# Allegro board RK_TABLET_DEMO1_RK3576_LP4XD200P132SD6_V12_20240530YWQ.brd (continued)
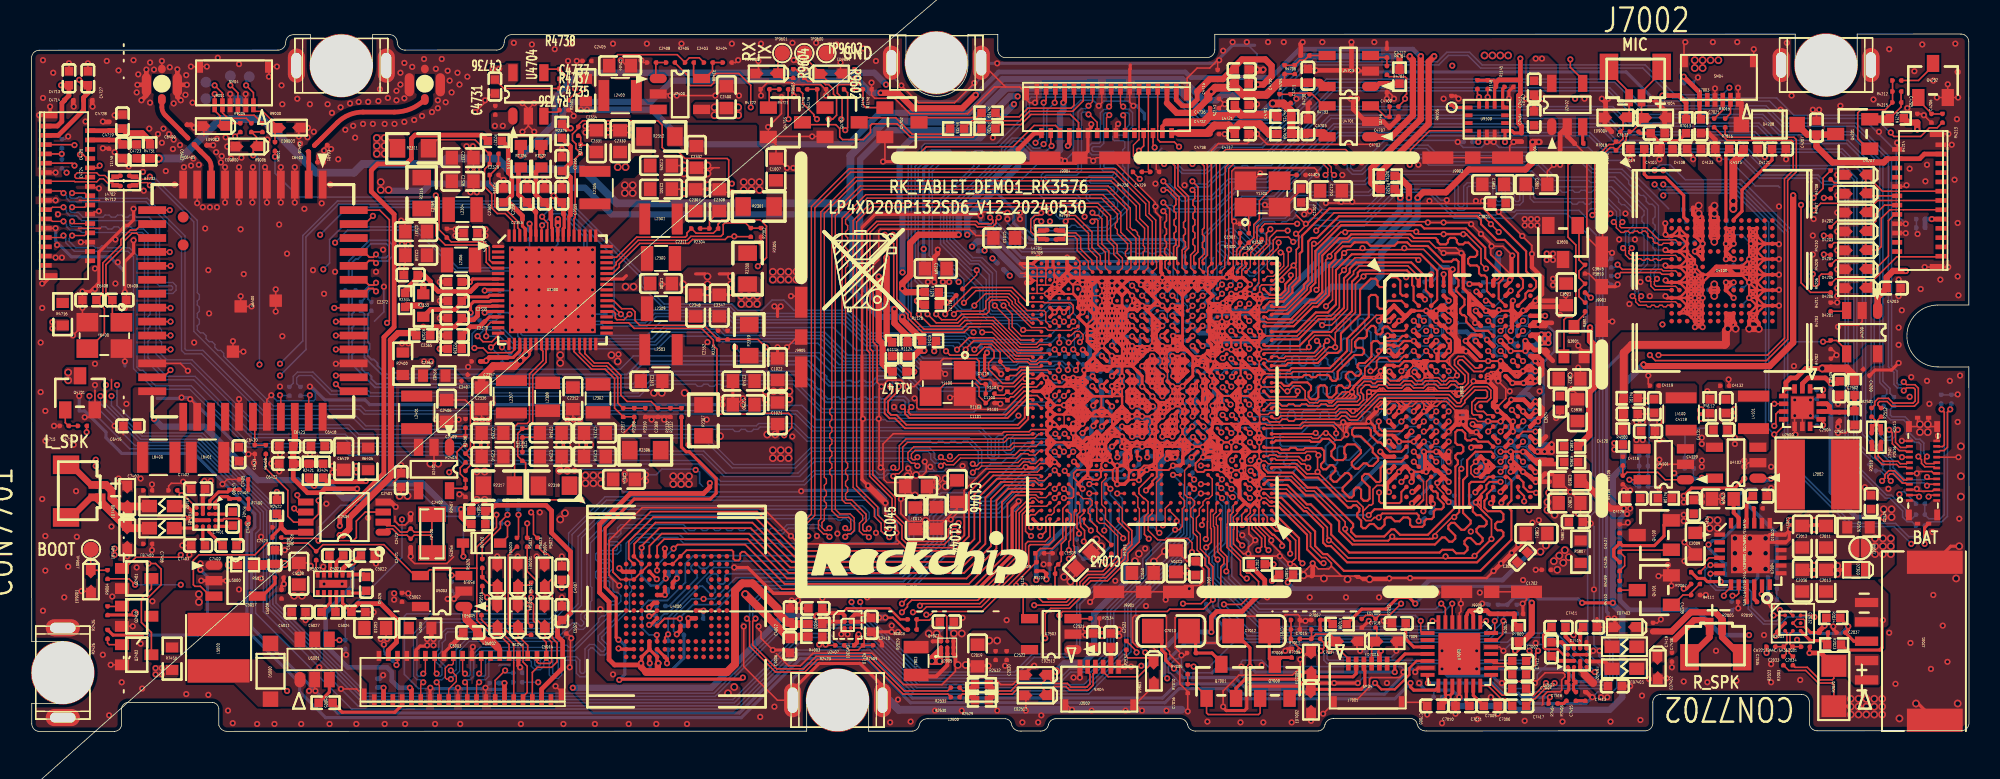
[diagram p0: board, top side]
## Routing (per net, layer and track width the routed paths; a pad name or vN(x,y) marks a point on that pad's centre or on a via; arc(x,y) is an arc through that point) (continued)
LPDDR4_CSN0_B: length 19.9
  TOP w0.114: v1(89.84,19.37) 89.99,19.37 U3800.R4 ; U1000.1J5 v1(77.42,19.27)
  BOTTOM w0.089: 88.83,18.92 88.95,19.05 89.51,19.05 v1(89.84,19.37)
  BOTTOM w0.114: v1(77.42,19.27) 77.78,19.63 79.57,19.63 79.68,19.51 79.68,17.78 79.97,17.5 79.97,17.33 79.75,17.11 79.75,16.95 79.91,16.79 80.07,16.79 80.29,17.01 80.45,17.01 80.61,16.85 80.61,16.69 80.39,16.47 80.39,16.31 80.56,16.14 80.72,16.14 80.94,16.36 81.1,16.36 81.71,15.75 84.64,15.75 86.54,17.65 88.45,17.65 88.83,18.03 88.83,18.92
LPDDR4_CSN1_A: length 19.6
  TOP w0.114: U3800.H3 v1(89.19,24.57) ; U1000.1T4 v1(77.42,24.07)
  BOTTOM w0.114: v1(89.19,24.57) 89.07,24.57 88.71,24.21 86.71,24.21 86.41,24.51 86.41,25.77 86.3,25.88 86.14,25.88 86.03,26 86.03,26.56 85.91,26.67 85.69,26.67 85.57,26.56 85.57,26 85.46,25.88 85.23,25.88 85.11,26 85.11,26.56 85,26.67 84.77,26.67 84.66,26.56 84.66,26 84.54,25.88 84.31,25.88 84.2,26 84.2,26.56 84.09,26.67 83.86,26.67 83.74,26.56 83.74,26 83.63,25.88 81.31,25.88 80.44,25.02 80.44,24.61 79.55,23.71 77.53,23.71 77.42,23.83 v1(77.42,24.07)
LPDDR4_CSN1_B: length 19.5
  TOP w0.114: U1000.1K4 77.46,20.43 v1(77.46,20.43) ; v1(89.84,20.02) U3800.R3
  BOTTOM w0.089: v1(89.84,20.02) U3800.R3 88.83,19.69
  BOTTOM w0.114: 88.83,19.69 88.71,19.69 88.19,19.18 87.3,19.18 84.64,16.51 84.41,16.51 84.3,16.62 84.3,16.73 84.19,16.85 83.96,16.85 83.84,16.73 83.84,16.62 83.47,16.26 81.84,16.26 81.44,16.65 81.44,16.81 81.66,17.03 81.66,17.2 81.5,17.36 81.34,17.36 81.12,17.14 80.96,17.14 80.8,17.3 80.8,17.46 81.02,17.68 81.02,17.84 80.86,18 80.69,18 80.47,17.78 80.31,17.78 80.06,18.03 80.06,19.73 79.86,19.94 77.95,19.94 77.46,20.43 v1(77.46,20.43)
LPDDR4_DMI0_A: length 15.1
  TOP w0.137: U1000.1V1 79.6,24.89 81.8,24.89 82.7,25.8 83.85,25.8 85.2,27.15 85.2,29.05 85.57,29.43 85.57,29.62 85.73,29.78 88.75,29.78 89.08,29.45 89.08,28.83 89.17,28.73 89.17,27.84 U3800.C3
LPDDR4_DMI0_B: length 15
  TOP w0.097: U3800.Y3 89.81,16.14 89.81,14.96 89.8,14.94
  TOP w0.102: U1000.B4 78.09,13.99 78.09,13.37 v1(78.12,13.34)
  TOP w0.137: 89.8,14.94 89.21,14.35 86.66,14.35 v1(86.28,13.97)
  BOTTOM w0.137: v1(78.12,13.34) 78.76,13.97 v1(86.28,13.97)
LPDDR4_DMI1_A: length 22.6
  TOP w0.137: U1000.AE1 80.07,26.98 81.06,26.98 82.54,28.45 82.54,28.67 82.84,28.98 82.84,31.03 84.51,32.7 89.65,32.7 89.87,32.49 92.56,32.49 93.8,31.25 93.8,30.57 94.95,29.43 94.95,29.23 94.67,28.96 94.67,27.94 U3800.C10
LPDDR4_DMI1_B: length 23.9
  TOP w0.102: 80.18,15.1 79.9,15.1 79.63,15.37 U1000.1B1
  TOP w0.137: U3800.Y10 95.24,16.45 95.49,16.2 95.49,14.92 95.25,14.68 95.25,14.49 95.49,14.25 95.49,12.38 93.48,10.37 84.68,10.37 83.6,11.45 83.34,11.45 82.82,11.97 82.82,12.92 80.64,15.1 80.18,15.1
LPDDR4_DQ0_A: length 14.4
  TOP w0.137: U3800.B2 88.46,28.15 88.32,28.28 88.32,29.11 88.09,29.34 87.53,29.34 87.4,29.2 87.4,28.84 87.26,28.7 86.98,28.7 86.85,28.84 86.85,29.11 86.71,29.24 86.42,29.24 85.72,28.54 85.72,26.94 84.49,25.7 84.49,24.66 84.27,24.45 83.65,24.45 83,23.8 81.08,23.8 80.91,23.62 U1000.W1
LPDDR4_DQ0_B: length 14.2
  TOP w0.127: U3800.AA2 88.39,15.47 88.39,14.87 88.26,14.75 87.08,14.75 86.95,14.87 v1(86.95,15.43)
  TOP w0.137: v1(78.66,16.83) 78.66,16.83 U1000.1D2
  L4-SIG w0.117: v1(86.95,15.43) 86.92,15.46 86.92,15.47 86.77,15.62 81.52,15.62 81.35,15.79 80.53,15.79 80.4,15.92 80.4,16.09 80.51,16.2 81.07,16.2 81.21,16.34 81.21,16.51 81.1,16.61 78.87,16.61 78.66,16.83 v1(78.66,16.83)
LPDDR4_DQ1_A: length 13.9
  TOP w0.137: U3800.C2 88.39,27.82 87.54,27.82 87.4,27.68 87.4,27.44 87.26,27.3 86.99,27.3 86.85,27.44 86.85,28.06 86.71,28.19 86.43,28.19 86.29,28.05 86.29,26.77 84.88,25.36 84.88,24.57 83.77,23.46 81.3,23.46 81.17,23.33 79.88,23.33 79.52,23.69 U1000.1T1
LPDDR4_DQ1_B: length 15.7
  TOP w0.137: U1000.1F2 v1(78.66,17.52) ; U3800.Y2 v1(88.39,16.12)
  L4-SIG w0.117: v1(88.39,16.12) 81.87,16.12 81.76,16.24 81.76,18.17 81.64,18.28 81.32,18.28 81.21,18.17 81.21,17.26 81.05,17.11 80.8,17.11 80.69,17.23 80.69,18.02 80.57,18.14 80.34,18.14 80.22,18.02 80.22,17.23 80.1,17.11 79.89,17.11 79.72,17.28 79.56,17.28 79.39,17.11 79.07,17.11 v1(78.66,17.52)
LPDDR4_DQ2_A: length 14.3
  TOP w0.137: U3800.E2 88.71,26.01 88.58,25.88 87.78,25.88 87.5,26.15 87.31,26.15 87.17,26.02 87.17,25.79 87.04,25.65 86.84,25.65 86.73,25.77 86.73,26.08 86.61,26.2 86.45,26.2 86.16,25.91 86.16,25.54 86.02,25.4 85.65,25.4 85.4,25.15 85.4,24.87 85.49,24.78 85.84,24.78 85.98,24.64 85.98,24.45 85.84,24.31 85.36,24.31 84.28,23.24 84.28,22.78 84.14,22.64 83.95,22.64 83.81,22.78 83.81,22.88 83.67,23.02 82.99,23.02 82.86,22.89 82.58,22.89 82.44,23.02 82.13,23.02 81.99,22.89 79.71,22.89 79.52,22.69 U1000.1P1
LPDDR4_DQ2_B: length 19.3
  TOP w0.137: U3800.V2 88.39,17.43 87.46,17.43 87.05,17.02 87.05,16.19 86.97,16.11 86.78,16.11 86.25,16.63 86.03,16.63 85.85,16.45 85.85,16.26 86.33,15.77 86.33,15.04 86.2,14.9 85.96,14.9 85.79,15.07 85.79,15.61 85.65,15.75 85.46,15.75 85.32,15.61 85.32,15.25 85.18,15.11 85.03,15.11 84.6,15.55 84.6,15.74 85.16,16.3 85.16,16.5 84.96,16.69 84.77,16.69 84.21,16.13 84.01,16.13 83.82,16.32 83.82,16.52 84.13,16.82 84.13,17.02 83.94,17.2 83.8,17.2 83.53,16.93 83.34,16.93 83.2,17.07 83.2,17.26 83.4,17.46 83.4,18.12 83.23,18.3 82.18,18.3 82.08,18.2 81.68,18.2 81.55,18.32 81.24,18.32 81.12,18.2 80.66,18.2 80.54,18.32 79.57,18.32 U1000.1G1
LPDDR4_DQ3_A: length 15.6
  TOP w0.137: U1000.U1 80.63,22.52 80.83,22.32 81.12,22.32 81.34,22.54 82.33,22.54 82.56,22.31 82.56,22.07 82.4,21.92 82.4,21.62 82.57,21.45 82.89,21.45 83.03,21.59 83.03,22.21 83.16,22.35 83.44,22.35 83.58,22.21 83.58,21.71 83.71,21.57 83.91,21.57 84.2,21.86 84.2,22.21 84.33,22.35 84.53,22.35 84.7,22.18 84.93,22.18 85.07,22.32 85.07,22.57 84.8,22.83 84.8,23.03 85,23.22 85.19,23.22 85.44,22.97 85.64,22.97 85.77,23.11 85.77,23.3 85.56,23.52 85.56,23.68 85.68,23.79 86.04,23.79 86.46,24.21 86.46,25.08 86.6,25.22 86.85,25.22 87,25.07 87.2,25.07 87.35,25.22 88.13,25.22 88.46,25.55 U3800.F2
LPDDR4_DQ3_B: length 19.1
  TOP w0.137: U1000.K1 80.16,18.67 80.28,18.79 82.48,18.79 82.56,18.7 83.11,18.7 83.31,18.9 83.72,18.9 84.1,18.51 84.1,18.32 83.87,18.09 83.87,17.78 84.13,17.53 84.63,17.53 84.79,17.69 84.79,17.88 84.71,17.96 84.71,18.35 84.9,18.54 85.4,18.54 85.77,18.17 85.77,17.97 85.19,17.39 85.19,17.2 85.41,16.97 85.61,16.97 85.95,17.31 86.14,17.31 86.3,17.15 86.55,17.15 86.89,17.49 86.89,17.69 86.54,18.03 86.54,18.29 85.78,19.05 85.35,19.05 85.21,19.19 85.21,19.47 85.35,19.61 86.28,19.61 86.41,19.47 86.41,19.12 86.87,18.67 87.05,18.67 87.64,18.07 88.39,18.07 U3800.U2
LPDDR4_DQ4_A: length 13.6
  TOP w0.137: U1000.1V3 78.57,24.72 v1(78.57,24.72) ; U3800.F4 v1(89.99,25.22)
  L4-SIG w0.089: v1(89.99,25.22) 89.66,24.89 88.96,24.89
  L4-SIG w0.117: 88.96,24.89 88.71,25.15 86.36,25.15 85.17,23.95 80.45,23.95 79.37,25.03 79.07,25.03 78.74,24.71 78.58,24.71 v1(78.57,24.72)
LPDDR4_DQ4_B: length 16.6
  TOP w0.114: U3800.U4 v1(90.64,18.72)
  TOP w0.137: U1000.1C3 v1(78.6,15.69)
  L4-SIG w0.117: v1(90.64,18.72) 90.2,18.29 90.2,17.93 90.03,17.75 90.03,17.32 89.48,16.77 89.48,15.31 89.25,15.09 88.8,15.09 88.44,14.73 86.89,14.73 86.49,15.12 80.31,15.12 79.4,16.03 79.03,16.03 78.69,15.69 v1(78.6,15.69)
LPDDR4_DQ5_A: length 15.8
  TOP w0.137: v1(77.42,25.87) U1000.1W4 ; U3800.E4 v1(90.64,25.87)
  L4-SIG w0.089: v1(90.64,25.87) 90.31,25.54 88.94,25.54
  L4-SIG w0.117: 88.94,25.54 88.53,25.96 86.47,25.96 84.96,24.45 80.65,24.45 79.63,25.47 79.01,25.47 78.85,25.31 77.98,25.31 v1(77.42,25.87)
LPDDR4_DQ5_B: length 15.7
  TOP w0.137: U3800.V4 v1(90.64,17.42) ; U1000.1B3 v1(78.62,15.07)
  L4-SIG w0.117: v1(90.64,17.42) 90.64,16.87 89.98,16.21 89.98,15.16 89.05,14.23 86.79,14.23 86.49,14.53 85.7,14.53 85.52,14.35 79.34,14.35 v1(78.62,15.07)
LPDDR4_DQ6_A: length 16.9
  TOP w0.137: U1000.AC1 81.63,25.82 82.87,27.06 83.65,27.06 84.17,27.58 84.17,29.8 85.19,30.82 89.64,30.82 90.7,29.76 90.7,27.88 U3800.C4
LPDDR4_DQ6_B: length 17.1
  TOP w0.097: U3800.Y4 90.01,16.14 90.01,14.66
  TOP w0.102: U1000.A5 77.79,13.7 77.79,12.45
  TOP w0.137: 90.01,14.66 90.01,14.43 v1(89.81,14.22) ; 77.79,12.45 77.79,12.35 v1(78.12,12.02)
  L4-SIG w0.117: v1(89.81,14.22) 89.63,14.22 89.14,13.73 87.33,13.73 87.02,13.43 85.69,13.43 85.4,13.72 79.82,13.72 78.12,12.02 v1(78.12,12.02)
LPDDR4_DQ7_A: length 15
  TOP w0.137: U1000.AB1 80.07,25.32 81.76,25.32 83.05,26.62 83.94,26.62 84.69,27.36 84.69,29.27 85.06,29.64 85.06,29.88 85.47,30.3 89.02,30.3 89.97,29.35 89.97,28.49 U3800.B4
LPDDR4_DQ7_B: length 17.6
  TOP w0.137: U1000.G1 80.07,17.07 81.16,17.07 81.16,17.07 81.54,17.07 82.21,16.39 83.02,16.39 84.95,14.46 85.14,14.46 85.29,14.61 85.48,14.61 85.68,14.41 85.68,14.22 85.53,14.07 85.53,13.88 85.79,13.62 85.79,13.25 85.92,13.13 86.08,13.13 86.35,13.4 86.6,13.4 86.88,13.11 87.07,13.11 87.3,13.34 87.3,13.68 87.44,13.82 87.72,13.82 87.97,13.57 88.27,13.57 88.52,13.82 88.82,13.82 88.95,13.68 88.95,13.35 89.09,13.22 89.74,13.22 89.88,13.35 89.88,13.58 90.01,13.72 90.34,13.72 90.48,13.85 90.48,14.21 90.61,14.35 90.98,14.35 91.11,14.49 91.11,14.69 90.73,15.08 90.73,15.38 90.61,15.5 90.45,15.5 90.31,15.64 U3800.AA4
LPDDR4_DQ8_A: length 24.1
  TOP w0.137: U1000.AF1 80.07,27.41 80.88,27.41 82.1,28.64 82.1,28.86 82.38,29.14 82.38,31.65 82.6,31.87 82.95,31.87 84.35,33.27 93.27,33.27 93.53,33.02 93.53,32.77 94.54,31.75 95.06,31.75 95.92,30.88 95.92,29.48 96.23,29.17 96.23,28.66 95.91,28.34 U3800.B11
LPDDR4_DQ8_B: length 22
  TOP w0.102: U1000.1A1 79.66,14.77 79.89,14.55 80.15,14.55
  TOP w0.137: U3800.AA11 95.91,15.6 96.31,15.2 v1(96.31,14.86) ; v1(83.37,10.87) 83.19,10.87 82.3,11.76 82.3,12.7 80.46,14.55 80.15,14.55
  L4-SIG w0.117: v1(96.31,14.86) 96.15,14.7 96.15,14.16 95.32,13.33 93.81,13.33 91.34,10.87 v1(83.37,10.87)
LPDDR4_DQ9_A: length 26.9
  TOP w0.137: U1000.1AB1 79.52,27.38 79.9,27.76 80.78,27.76 81.36,28.35 81.36,28.71 81.83,29.18 81.83,30.86 81.99,31.02 81.99,32.02 83.75,33.78 93.68,33.78 96.44,31.02 96.44,29.72 97.08,29.08 97.08,28.7 96.85,28.47 96.58,28.47 96.39,28.28 96.39,27.98 U3800.C11
LPDDR4_DQ9_B: length 24.1
  TOP w0.137: v1(97.08,15.41) 97.02,15.48 96.58,15.48 96.27,15.79 96.27,16.09 U3800.Y11 ; U1000.B1 80.02,14.26 81.79,12.49 81.79,11.08 v1(82.01,10.86)
  L4-SIG w0.117: v1(97.08,15.41) 97.08,14.22 95.69,12.84 94.01,12.84 91.55,10.37 82.5,10.37 82.01,10.86 v1(82.01,10.86)
LPDDR4_DQ10_A: length 23.4
  TOP w0.137: v1(81.26,29.46) 81.26,29.25 80.9,28.89 80.9,28.5 80.59,28.2 79.89,28.2 U1000.1AD1 ; v1(96.24,26.52) U3800.E11
  L4-SIG w0.117: v1(81.26,29.46) 81.83,29.46 84.12,31.76 93.2,31.76 94.48,30.47 95.3,30.47 96.63,29.15 96.63,26.91 v1(96.24,26.52)
LPDDR4_DQ10_B: length 23.3
  TOP w0.102: U1000.B2 79.47,14.11 79.74,13.83 79.74,13.49
  TOP w0.137: v1(96.24,17.42) U3800.V11 ; v1(81.21,11.48) 81.21,12.27 80.52,12.95 80.28,12.95 79.74,13.49
  L4-SIG w0.117: v1(96.24,17.42) 96.6,17.06 96.6,16.33 95.7,15.42 95.7,14.41 95.14,13.85 94.73,13.85 93.23,13.85 90.86,11.48 v1(81.21,11.48)
LPDDR4_DQ11_A: length 21.9
  TOP w0.137: U3800.F11 v1(96.24,25.87) ; U1000.AH1 v1(80.38,28.57)
  L4-SIG w0.117: v1(80.38,28.57) 81.58,28.57 83.24,30.23 84.54,30.23 85.15,30.84 88.72,30.84 89.13,31.26 92.99,31.26 94.31,29.94 95.13,29.94 96.07,29 96.07,27.51 95.86,27.3 95.86,26.25 v1(96.24,25.87)
LPDDR4_DQ11_B: length 22.9
  TOP w0.137: v1(96.24,18.72) U3800.U11 ; v1(80.7,11.98) 80.7,12.16 80.16,12.7 80.09,12.7 79.47,13.32 U1000.A2
  L4-SIG w0.117: v1(80.7,11.98) 90.65,11.98 93.02,14.35 94.93,14.35 95.2,14.62 95.2,16.02 95.83,16.65 95.83,18.31 v1(96.24,18.72)
LPDDR4_DQ12_A: length 23.7
  TOP w0.137: U1000.1Y1 81.44,26.17 82.7,27.43 82.97,27.43 83.34,27.8 83.34,27.8 83.73,28.19 83.73,30.11 84.13,30.51 84.13,30.85 84.61,31.33 85.11,31.33 85.37,31.59 86.16,31.59 86.38,31.37 87.94,31.37 88.16,31.59 88.76,31.59 89,31.36 90.08,31.36 91.08,30.35 91.62,30.35 91.75,30.48 91.94,30.48 92.07,30.34 92.07,29.66 91.93,29.52 91.93,29.3 92.07,29.15 92.07,28.77 91.93,28.63 91.93,28.45 92.46,27.92 92.46,27.55 92.18,27.27 92.18,27.03 92.32,26.89 92.44,26.89 92.58,26.75 92.58,26.47 93.17,25.88 93.98,25.88 U3800.F9
LPDDR4_DQ12_B: length 24.8
  TOP w0.137: U1000.1E1 79.52,16.98 79.79,16.71 81.37,16.71 82.34,15.75 82.93,15.75 85.27,13.4 85.27,13.21 85.15,13.08 85.15,12.89 85.45,12.59 87.29,12.59 87.75,13.06 87.94,13.06 88.3,12.7 90.1,12.7 91.87,14.48 91.87,17.11 92.03,17.27 92.03,17.5 91.87,17.65 91.87,17.82 92.01,17.96 92.25,17.96 92.38,18.1 92.38,18.37 92.25,18.51 92.01,18.51 91.87,18.65 91.87,19.33 92.01,19.47 92.29,19.47 92.51,19.25 92.51,18.92 92.64,18.8 92.89,18.8 92.98,18.89 93.18,18.89 93.35,18.72 93.99,18.72 U3800.U9
LPDDR4_DQ13_A: length 22.9
  TOP w0.137: v1(78.62,25.87) U1000.1W2 ; U3800.E9 v1(93.99,26.52)
  L4-SIG w0.117: v1(93.99,26.52) 93.74,26.77 92.37,26.77 92.13,27.01 92.13,28.12 91.79,28.46 91.06,28.46 90.94,28.35 90.94,28.18 90.82,28.07 90.59,28.07 90.47,28.18 90.47,28.35 90.36,28.46 89.11,28.46 88.99,28.35 88.99,28.06 88.88,27.94 88.64,27.94 88.53,28.06 88.53,28.35 88.41,28.46 88.18,28.46 88.06,28.35 88.06,28.06 87.94,27.94 87.71,27.94 87.59,28.06 87.59,28.35 87.48,28.46 87.24,28.46 87.13,28.35 87.13,28.06 87.01,27.94 86.77,27.94 86.66,28.06 86.66,28.35 86.54,28.46 85.68,28.46 83.82,26.6 83.13,26.6 82.39,25.86 82.39,25.26 82.27,25.15 80.57,25.15 79.48,26.24 78.99,26.24 v1(78.62,25.87)
LPDDR4_DQ13_B: length 24.4
  TOP w0.137: U3800.V9 94.31,17.93 94.18,18.07 93.18,18.07 92.63,17.52 92.63,16.5 92.37,16.24 92.37,14.11 92.86,13.62 92.86,13.43 92.45,13.02 92.26,13.02 91.81,13.47 91.6,13.47 91.42,13.29 91.42,13.09 91.87,12.64 91.87,12.45 91.67,12.26 91.48,12.26 91.2,12.53 91.01,12.53 90.56,12.07 85.23,12.07 84.38,12.93 84.38,13.56 82.7,15.24 82.22,15.24 81.22,16.24 79.79,16.24 U1000.1C1
LPDDR4_DQ14_A: length 22.8
  TOP w0.137: v1(78.57,26.51) 78.57,26.52 U1000.1AA3 ; v1(93.84,27.82) 93.99,27.82 U3800.C9
  L4-SIG w0.117: v1(93.84,27.82) 93.7,27.69 92.75,27.69 92.64,27.8 92.64,28.32 92,28.96 88.23,28.96 88.12,29.08 88.12,29.22 88,29.34 87.77,29.34 87.65,29.22 87.65,29.08 87.53,28.96 87.3,28.96 87.18,29.08 87.18,29.22 87.06,29.34 86.83,29.34 86.71,29.22 86.71,29.08 86.6,28.96 85.66,28.96 85.06,28.37 84.9,28.37 84.75,28.52 84.58,28.52 84.42,28.35 84.42,28.19 84.57,28.04 84.57,27.87 83.8,27.1 82.93,27.1 82.39,26.57 82.06,26.57 81.94,26.45 81.94,25.79 81.82,25.67 81.59,25.67 81.47,25.79 81.47,26.45 81.36,26.57 81.12,26.57 81.01,26.45 81.01,25.79 80.89,25.67 80.66,25.67 80.54,25.79 80.54,26.45 80.42,26.57 78.71,26.57 78.66,26.51 v1(78.57,26.51)
LPDDR4_DQ14_B: length 23.9
  TOP w0.137: U3800.Y9 94.02,16.45 93.7,16.12 92.9,16.12 92.76,15.98 92.76,14.7 93,14.46 93,14.21 93.24,13.97 93.49,13.97 93.88,13.58 93.88,13.38 93.75,13.25 93.41,13.25 93.24,13.08 93.24,12.88 93.63,12.49 93.63,12.3 93.44,12.1 93.24,12.1 92.85,12.49 92.66,12.49 92.46,12.3 92.46,12.11 92.65,11.91 92.65,11.72 92.44,11.51 91.93,11.51 91.7,11.73 91.03,11.73 90.86,11.56 85.02,11.56 83.86,12.72 83.86,13.35 82.54,14.67 82.29,14.67 81.03,15.92 U1000.E1
LPDDR4_DQ15_A: length 23
  TOP w0.137: U3800.B9 94.21,28.15 93.91,28.45 93.91,29.31 93.77,29.45 93.54,29.45 93.4,29.59 93.4,29.96 93.26,30.1 92.83,30.1 92.69,30.24 92.69,30.51 92.83,30.65 93.14,30.65 93.28,30.78 93.28,31.01 92.71,31.58 92.49,31.58 92.38,31.46 92.1,31.46 91.97,31.59 91.97,31.74 91.83,31.88 91.53,31.88 91.4,31.74 91.4,31.59 91.27,31.46 90.89,31.46 90.73,31.62 90.73,31.74 90.59,31.87 89.21,31.87 88.97,32.11 85.15,32.11 84.89,31.85 84.4,31.85 83.28,30.74 83.28,28.37 83.28,28.37 83.06,28.15 82.79,27.87 82.51,27.87 81.27,26.63 79.78,26.63 79.64,26.77 U1000.1AA1
LPDDR4_DQ15_B: length 23.2
  TOP w0.137: U1000.D1 80.95,15.37 82.1,14.22 82.25,14.22 83.34,13.13 83.34,12.19 83.56,11.97 83.84,11.97 84.89,10.92 93.27,10.92 94.97,12.62 94.97,12.86 94.83,12.99 94.59,12.99 94.45,13.13 94.45,13.4 94.59,13.54 94.83,13.54 94.97,13.68 94.97,14.04 94.79,14.22 93.97,14.22 93.75,14.44 93.75,14.9 93.91,15.06 93.91,15.31 94.31,15.72 U3800.AA9
LPDDR4_DQS0N_A: length 13.5
  TOP w0.107: U1000.Y1 80.07,24.22 80.37,24.22 80.49,24.11 80.8,24.11 80.91,24.22 82.83,24.22 83.38,24.78 83.38,25.01 v1(83.6,25.22) ; U3800.E3 v1(89.19,26.52)
  L4-SIG w0.089: v1(83.6,25.22) 83.4,25.43 83.4,25.55 83.5,25.65 83.92,25.65 84.1,25.83 84.33,25.83 84.51,26.01 84.51,26.25 84.77,26.5 85,26.5 85.18,26.68 85.18,26.92 85.82,27.56 86.05,27.56 86.38,27.24 86.5,27.24 86.67,27.07 86.92,27.07 87.09,27.24 87.4,27.24 87.57,27.07 87.82,27.07 87.99,27.24 88.24,27.24 88.4,27.07 88.66,27.07 88.82,27.24 89.08,27.24 89.46,26.85 89.46,26.61 89.37,26.52 v1(89.19,26.52)
LPDDR4_DQS0N_B: length 19.1
  TOP w0.107: v1(82.38,17.69) 82.18,17.5 82.03,17.5 81.78,17.75 80.41,17.75 80.31,17.85 79.88,17.85 79.8,17.77 U1000.1F1 ; U3800.V3 v1(89.19,18.07)
  L4-SIG w0.089: v1(89.19,18.07) 89.03,17.91 88.7,17.91 88.34,17.55 88.22,17.55 88.13,17.64 88.13,17.75 87.89,17.99 87.51,17.99 87.18,17.65 86.91,17.65 86.67,17.41 86.67,16.95 86.58,16.86 86.28,16.86 86.19,16.95 86.19,17.71 86.75,18.27 86.75,18.68 86.51,18.92 85.78,18.92 85.18,18.32 83.98,18.32 83.75,18.09 83.75,17.51 83.98,17.27 85.24,17.27 85.33,17.18 85.33,16.95 85.24,16.86 83.78,16.86 83.14,17.49 82.58,17.49 v1(82.38,17.69)
LPDDR4_DQS0P_A: length 13.6
  TOP w0.107: U3800.D3 v1(89.84,26.52) ; U1000.1U1 79.59,24.45 82.73,24.45 83.16,24.87 83.16,25.01 v1(82.94,25.22)
  L4-SIG w0.089: v1(89.84,26.52) 89.72,26.64 89.72,26.96 89.18,27.49 86.48,27.49 86.16,27.81 85.72,27.81 83.81,25.91 83.39,25.91 83.14,25.66 83.14,25.43 v1(82.94,25.22)
LPDDR4_DQS0P_B: length 18.6
  TOP w0.107: U1000.H1 80.07,17.62 80.22,17.62 80.32,17.53 81.68,17.53 81.94,17.27 82.14,17.27 v1(82.38,17.04) ; U3800.W3 v1(89.19,17.42)
  L4-SIG w0.089: v1(82.38,17.04) 82.58,17.24 83.04,17.24 83.67,16.6 85.34,16.6 85.58,16.84 85.58,17.29 85.34,17.53 84.09,17.53 84,17.61 84,17.98 84.09,18.07 85.29,18.07 85.88,18.67 86.41,18.67 86.5,18.58 86.5,18.37 85.94,17.81 85.94,16.84 86.17,16.6 86.68,16.6 86.92,16.84 86.92,17.31 87.01,17.4 87.28,17.4 87.62,17.73 87.78,17.73 87.87,17.65 87.87,17.53 88.11,17.29 88.45,17.29 88.8,17.65 88.96,17.65 v1(89.19,17.42)
LPDDR4_DQS1N_A: length 24.4
  TOP w0.107: U3800.E10 v1(94.79,25.87) ; v1(78.57,27.63) U1000.1AB3
  L4-SIG w0.089: v1(94.79,25.87) 95,26.08 95.13,26.08 95.37,26.32 95.37,27.47 94.89,27.95 94.89,28.55 94.65,28.79 94.05,28.79 93.4,29.44 93.4,30.07 92.98,30.48 90.01,30.48 89.61,30.09 89.32,30.09 89.19,30.23 85.38,30.23 85.14,29.99 85.14,29.59 85,29.45 83.6,29.45 83.37,29.21 83.37,28.26 83.28,28.17 82.48,28.17 81.86,27.56 81.08,27.56 80.83,27.81 79.94,27.81 79.43,27.3 78.5,27.3 78.41,27.39 78.41,27.47 v1(78.57,27.63)
LPDDR4_DQS1N_B: length 23.3
  TOP w0.102: U1000.B3 78.92,14.11 78.64,13.83 78.64,13.55 78.65,13.55
  TOP w0.107: v1(79.15,11.71) 79.37,11.93 79.37,12.47 78.76,13.09 78.76,13.44 78.65,13.55 ; U3800.V10 v1(94.79,17.42)
  L4-SIG w0.089: v1(94.79,17.42) 94.58,17.21 94.41,17.21 94.05,16.85 94.05,16.35 93.96,16.26 92.52,16.26 91.99,15.73 91.99,14.88 90.06,12.95 88.83,12.95 88.6,13.18 87.53,13.18 87.07,12.72 86.65,12.72 86.42,12.94 85.37,12.94 85.14,12.72 84.34,12.72 84.11,12.95 79.75,12.95 79.36,12.56 79.36,11.92 v1(79.15,11.71)
LPDDR4_DQS1P_A: length 24.4
  TOP w0.107: v1(77.97,27.63) U1000.1AB4 ; U3800.D10 v1(94.79,26.52)
  L4-SIG w0.089: v1(94.79,26.52) 94.97,26.34 95.03,26.34 95.12,26.43 95.12,27.36 94.63,27.85 94.63,28.44 94.55,28.53 93.95,28.53 93.14,29.34 93.14,29.97 92.88,30.23 91.4,30.23 91.27,30.1 90.96,30.1 90.83,30.23 90.12,30.23 89.72,29.83 89.22,29.83 89.08,29.97 88.65,29.97 88.51,29.84 88.21,29.84 88.07,29.97 87.77,29.97 87.64,29.84 87.33,29.84 87.2,29.97 85.49,29.97 85.4,29.88 85.4,29.49 85.11,29.19 83.71,29.19 83.62,29.1 83.62,28.16 83.38,27.92 82.58,27.92 81.97,27.3 80.97,27.3 80.72,27.56 80.04,27.56 79.53,27.05 78.4,27.05 78.16,27.29 78.16,27.53 78.06,27.63 v1(77.97,27.63)
LPDDR4_DQS1P_B: length 22.4
  TOP w0.107: U3800.W10 v1(94.79,16.77) ; v1(79.81,11.71) 79.59,11.93 79.59,12.56 78.98,13.18 78.98,13.66 U1000.A3
  L4-SIG w0.089: v1(79.81,11.71) 79.62,11.9 79.62,12.46 79.86,12.7 80.3,12.7 80.42,12.58 80.72,12.58 80.84,12.7 81.12,12.7 81.29,12.53 81.56,12.53 81.73,12.7 84,12.7 84.23,12.47 85.25,12.47 85.47,12.69 86.32,12.69 86.54,12.47 87.17,12.47 87.64,12.93 88.49,12.93 88.72,12.7 90.17,12.7 92.24,14.78 92.24,15.63 92.62,16.01 94.07,16.01 94.3,16.25 94.3,16.75 94.51,16.96 94.6,16.96 v1(94.79,16.77)
LPDDR4_RESET: length 43.6
  TOP w0.114: U3800.T11 96.24,19.37 v1(97.04,19.37) ; v1(76.86,24.11) 76.86,24.12 U1000.1U5
  L4-SIG w0.091: v1(97.04,19.37) 97.4,19.37 97.66,19.63 97.66,23.83 96.79,24.7 96.79,26.38 97.11,26.71 97.11,27.4 97.39,27.68 97.39,29.67 96.45,30.61 96.45,31.26 94.49,33.22 83.19,33.22 82.38,32.4 82.38,31.57 80.52,29.72 77.04,29.72 76.46,29.14 76.46,24.51 v1(76.86,24.11)
  BOTTOM w0.114: v1(97.04,19.37) 96.94,19.47 C3800.1
MIC2_IN_J: length 21.6
  TOP w0.102: R7009.1 C7014.1 82.59,6.01 ; v1(96.65,5.21) 96.83,5.02 96.83,4.88 96.5,4.55 C7002.2 ; ED7000.1 83.79,6.28 82.87,6.28 82.59,6.01 ; ED7000.1 83.7,5.81 83.59,5.7 83.59,5.36 v1(83.75,5.21) ; ED7000.1 84.26,5.4 84.97,4.7 J7001.1 ; 82.59,6.01 R7007.1
  BOTTOM w0.102: v1(96.65,5.21) 96.8,5.05 96.8,4.85 96.55,4.6 83.7,4.6 83.59,4.7 83.59,5.05 v1(83.75,5.21)
MIC2N: length 48.3
  TOP w0.102: J7002.3 101.78,42.59 103.08,41.29 J7002.1 103.08,39.93 ED9004.1 102.7,39.54 102.7,38.92 R7018.1 102.7,38.55 102.7,38.29 102.44,38.04 102.3,38.04 C7020.2 102.06,37.92 101.77,37.92 100.87,37.01 100.87,33.5 v1(100.71,33.35) ; v1(98.28,3.12) 97.92,2.77 97.67,2.77 97.01,2.11 96.9,2.11 C7006.2
  BOTTOM w0.102: v1(98.28,3.12) 98.43,2.97 101.43,2.97 101.83,3.38 101.83,5.61 101.17,6.27 101.17,32.28 100.92,32.54 100.92,33.15 v1(100.71,33.35)
MIC2P: length 49.2
  TOP w0.102: v1(101.27,33.35) 101.07,33.55 101.07,36.92 101.86,37.71 102.07,37.71 C7020.1 102.48,37.79 102.48,37.79 102.9,38.21 102.9,38.5 R7017.2 103.25,38.73 ED7004.1 103.88,39.89 J7002.2 103.88,41.3 105.18,42.6 J7002.4 ; C7005.2 96.44,2.72 96.85,2.31 96.92,2.31 97.58,2.97 97.67,2.97 97.72,3.02 v1(97.72,3.12)
  BOTTOM w0.102: v1(97.72,3.12) 98.07,2.77 101.51,2.77 102.03,3.29 102.03,5.7 101.37,6.36 101.37,32.37 101.12,32.62 101.12,33.2 v1(101.27,33.35)
MIC_1P: length 1.5
  TOP w0.102: C7002.1 95.54,4.5 95.44,4.39 94.34,4.39 U7000.24
MIC_2N: length 2.6
  TOP w0.102: C7006.1 95.54,1.69 95.12,2.12 94.81,2.12 93.98,2.95 U7000.21
MIC_2P: length 2.4
  TOP w0.102: C7005.1 95.12,2.35 94.89,2.35 94.18,3.05 U7000.22
MIPI_DCPHY_VREG: length 1
  TOP w0.229: U1000.2N7 71.99,25.87 v1(71.67,26.19)
  BOTTOM w0.305: C1503.1 71.9,25.96 v1(71.67,26.19)
MIPI_DPHY_CSI0_CAM_CLKOUT: length 98.1
  TOP w0.089: R4726.1 71.08,36.11 v1(71.5,35.69)
  TOP w0.102: U1000.1E7 v1(75.45,17.17)
  L4-SIG w0.102: v1(71.5,35.69) 71.5,35.74 71.66,35.89 75.52,35.89 76.03,36.4 80.39,36.4 82.27,38.28 89.57,38.28 90.74,37.11 95.53,37.11 95.84,37.41 105.13,37.41 105.84,36.7 105.84,24.15 105.03,23.34 102.47,23.34 100.56,21.43 100.56,14.2 97.38,11.02 96.41,11.02 94.01,8.61 87.61,8.61 87.3,8.31 78.87,8.31 77.65,9.52 77.65,10.85 76.84,11.66 76.84,13.39 76.22,14.01 76.22,16.41 v1(75.45,17.17)
MIPI_DPHY_CSI0_CLKOUT: length 6
  TOP w0.089: R4726.2 C4729.1 72.06,36.27 72.06,39.24
  TOP w0.102: 72.06,39.24 J4701.7
MIPI_DPHY_CSI0_PDN_H: length 101.9
  TOP w0.089: 72.37,38.07 72.37,37.81 72.46,37.72 v1(72.47,37.72)
  TOP w0.102: J4701.6 72.37,38.65 72.37,38.07 ; U1000.1C7 v1(75.45,15.97)
  L4-SIG w0.102: v1(75.45,15.97) 75.82,15.6 75.82,14.45 75.16,13.79 75.16,13.18 75.42,12.93 75.82,12.93 76.23,12.52 76.23,11.71 75.97,11.45 75.97,10.85 76.33,10.49 76.33,9.9 78.53,7.7 87.3,7.7 88.01,6.98 89.03,6.98 89.23,6.78 92.81,6.78 93.53,7.49 94.91,7.49 96.17,8.75 97.81,8.75 101.17,12.12 101.17,21.06 102.49,22.38 104.96,22.38 106.45,23.87 106.45,36.96 105.39,38.02 98.22,38.02 97.36,38.89 81.97,38.89 80.09,37.01 75.62,37.01 75.06,37.57 74.65,37.57 74.45,37.36 73.94,37.36 73.43,37.87 72.62,37.87 v1(72.47,37.72)
MIPI_DPHY_CSI0_RST_L: length 102.3
  TOP w0.089: U1000.1A7 75.88,14.74 75.88,13.55 75.87,13.54 ; 72.66,38.24 72.66,39.1
  TOP w0.102: 72.66,38.24 72.82,38.07 73.74,38.07 v1(74.04,37.77) ; 75.87,13.54 75.87,12.52 v1(75.77,12.42) ; 72.66,39.1 J4701.5
  L4-SIG w0.102: v1(75.77,12.42) 75.42,12.06 75.42,11.71 75.77,11.35 75.77,10.17 78.65,7.29 81.51,7.29 82.02,6.78 88.88,6.78 89.08,6.58 95.94,6.58 101.37,12.01 101.37,20.97 102.58,22.17 105.05,22.17 106.66,23.78 106.66,37.04 105.47,38.23 98.31,38.23 97.45,39.09 81.87,39.09 79.99,37.21 75.7,37.21 75.14,37.77 v1(74.04,37.77)
MIPI_DPHY_CSI0_RX_CLKN: length 3.8
  TOP w0.089: U1000.AL22 68.42,30.27 68.42,30.44 67.69,31.17 67.69,31.89 67.38,32.2 66.71,32.2 66.56,32.35 L4701.1 66.41,32.38 R4707.1
MIPI_DPHY_CSI0_RX_CLKNJ: length 19.6
  TOP w0.089: J4701.12 70.56,39.68 v1(70.44,39.8) ; R4707.2 65.22,32.38 L4701.2 65.07,32.35 64.96,32.24 64.84,32.24 64.7,32.38 64.7,32.97 64.84,33.11 64.99,33.11 v1(65.15,32.94)
  BOTTOM w0.089: v1(65.15,32.94) 64.99,33.11 64.79,33.11 64.7,33.02 64.7,32.75 64.89,32.56 65.83,32.56 65.97,32.69 66.22,32.69 66.36,32.56 66.97,32.56 67.11,32.69 67.36,32.69 67.5,32.56 67.75,32.56 67.89,32.69 68.14,32.69 68.28,32.56 69.29,32.56 69.47,32.74 69.47,32.93 69.65,33.11 69.84,33.11 70.54,33.81 70.54,34.07 70.41,34.2 70.41,34.45 70.54,34.59 70.54,34.84 70.41,34.98 70.41,35.23 70.54,35.37 70.54,35.62 70.41,35.76 70.41,36.01 70.54,36.14 70.54,36.4 70.41,36.53 70.41,36.79 70.54,36.92 70.54,37.17 70.41,37.31 70.41,37.56 70.54,37.7 70.54,38.07 70.45,38.16 69.87,38.16 69.78,38.25 69.78,38.43 69.87,38.52 70.45,38.52 70.54,38.6 70.54,38.89 70.82,39.17 70.82,39.88 70.73,39.97 70.6,39.97 v1(70.44,39.8)